# KiCad board MSX OPL4 Wozblaster.kicad_pcb
title: MSX OPL4 Wozblaster Reloaded; date: 2023-06-06; rev: 3.3; company: The Retro Hacker; note: Reloaded by Cristiano Goncalves; note: Original Design by Gustavo Iriarte; note: Wozblaster Reloaded v3
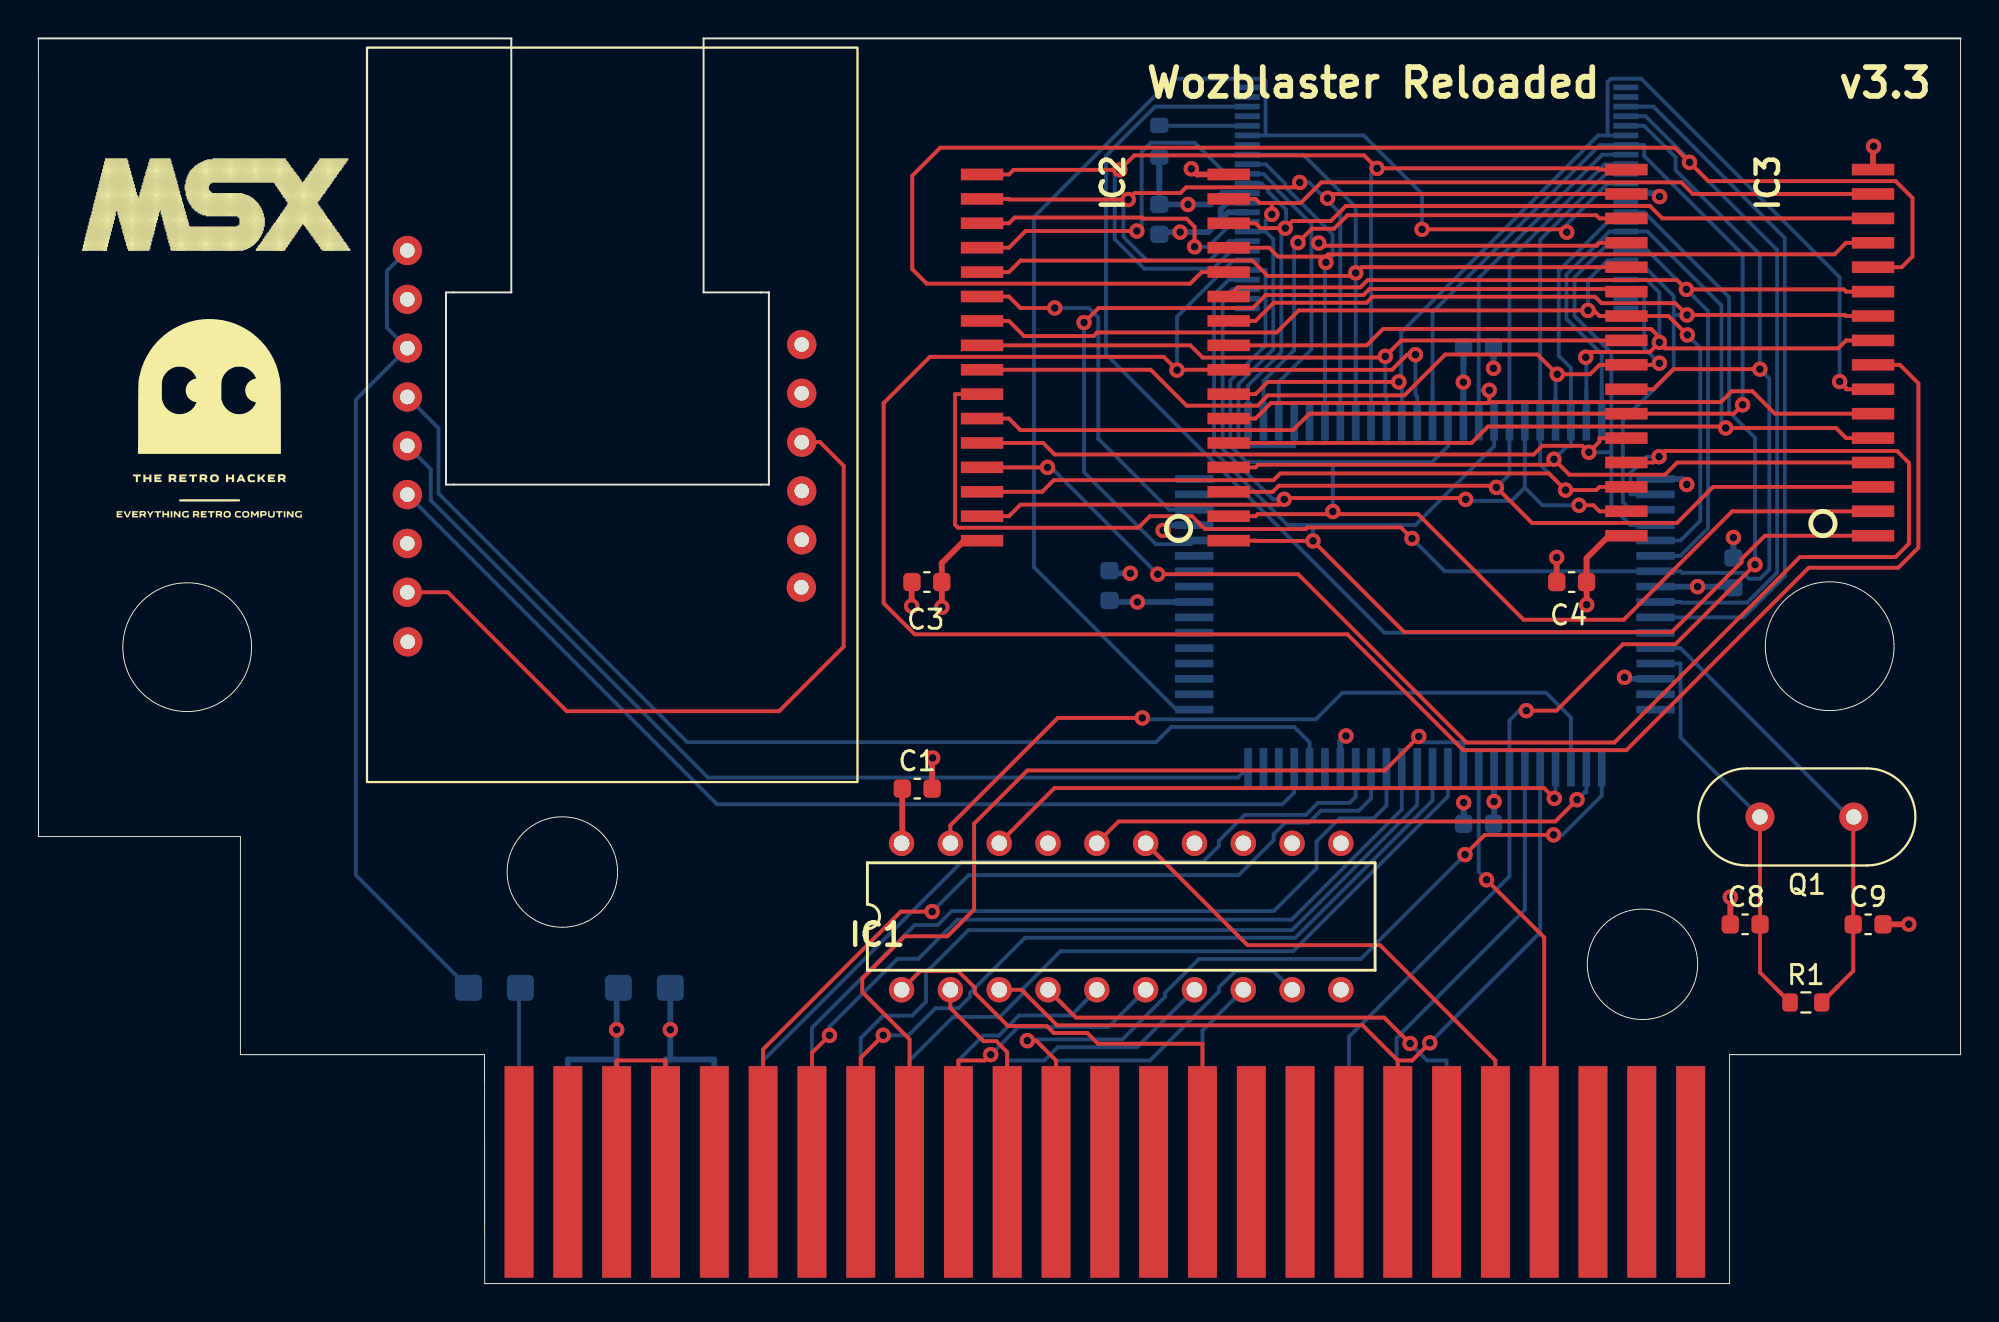
[diagram p0: board, top side]
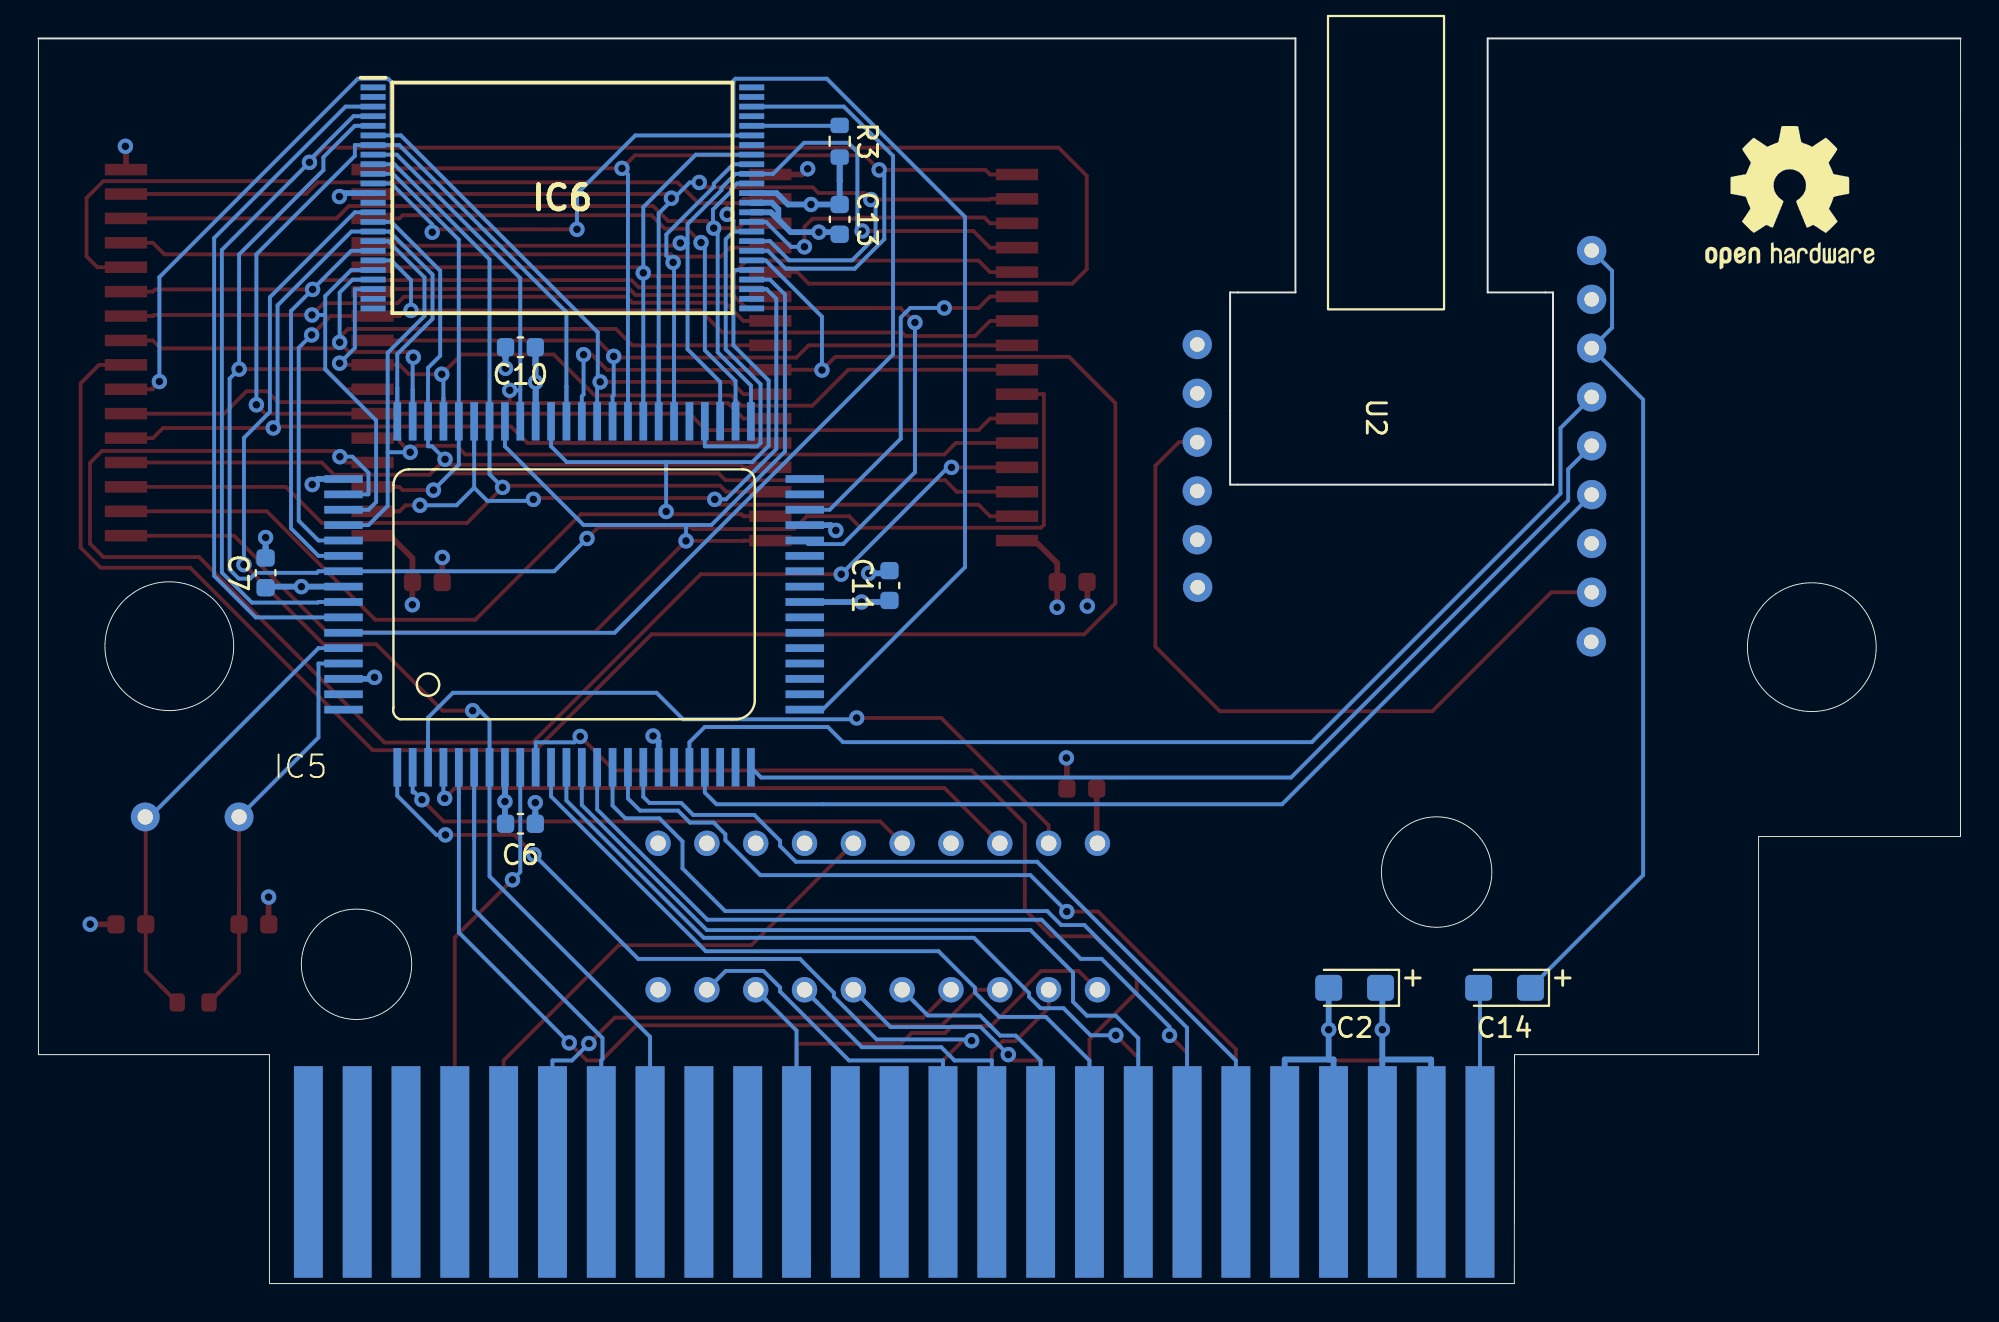
[diagram p1: board, bottom side, seen from below]

Outline 100.01 x 64.78 mm; copper layers: Top, In1.Cu (plane), In2.Cu (plane), Bottom. Coordinates in mm from the lower left corner of the outline.
Outline path: circle c7.74,33.11 r3.35 ; circle c27.26,21.41 r2.87 ; circle c83.46,16.61 r2.87 ; circle c93.2,33.16 r3.35 ; 0,64.78 24.61,64.78 24.61,51.57 21.21,51.57 21.21,41.57 38.01,41.57 38.01,51.57 34.61,51.57 34.61,64.78 100.01,64.78 100.01,11.91 87.99,11.91 87.99,0 23.22,0 23.21,11.91 10.51,11.91 10.51,23.26 0,23.26 0,64.78
Stack: Top 0.035mm / dielectric 0.1mm FR4 er 4.5 / In1.Cu 0.035mm / dielectric 1.24mm FR4 er 4.5 / In2.Cu 0.035mm / dielectric 0.1mm FR4 er 4.5 / Bottom 0.035mm

## Placement (name value [footprint] x y rotation side)
BUS1  MSX_SLOT_EDGE-CON  [msx_cartridge]  55.49 5.68 0 top
C1  0.1uF  [C_0603_1608Metric]  45.72 25.75 0 top
C2  10uF/10v  [CP_EIA-3216-18_Kemet-A]  31.53 15.39 0 bottom
C3  0.1uF  [C_0603_1608Metric]  46.23 36.5 180 top
C4  0.1uF  [C_0603_1608Metric]  79.78 36.5 180 top
C6  0.1uF  [C_0603_1608Metric]  74.93 23.92 180 bottom
C7  0.1uF  [C_0603_1608Metric]  88.19 36.98 90 bottom
C8  12pF  [C_0603_1608Metric]  88.8 18.69 180 top
C9  12pF  [C_0603_1608Metric]  95.2 18.69 0 top
C10  0.1uF  [C_0603_1608Metric]  74.93 48.71 0 bottom
C11  0.1uF  [C_0603_1608Metric]  55.73 36.32 90 bottom
C13  0.1uF  [C_0603_1608Metric]  58.32 55.37 270 bottom
C14  10uF/10v  [CP_EIA-3216-18_Kemet-A]  23.73 15.39 0 bottom
G***  LOGO  [TRH]  8.93 45.07 0 top
IC1  GAL16V8D  [DIL20]  56.34 19.1 0 top
IC2  KM684000ALG  [SOP32L]  55.51 48.18 90 top
IC3  KM684000ALG  [SOP32L]  89.04 48.43 90 top
IC5  YMF278B-F  [80-QFP]  72.24 36.16 180 bottom
IC6  AM29F016B-120EC  [SOP50P2000X120-48N]  72.75 56.48 180 bottom
LOGO_MSX  -  [LOGO_MSX]  1.22 59.43 0 top
Q1  33.8688  [Crystal_HC49-U_Vertical]  94.45 24.28 180 top
R1  3.3K  [R_0603_1608Metric]  91.96 14.62 0 top
R3  1K  [R_0603_1608Metric]  58.32 59.43 90 bottom
REF02  -  [OSHW-Logo2_9.8x8mm_SilkScreen]  8.89 56.51 180 bottom
U2  -  [UDA1334MOD]  29.91 45.06 90 bottom

## Library data of the parts
BUS1 = -: Description: MSX-compatible edge-connector for the cartridge slots used in the MSX-standard.; MPN: n/a; Manufacturer: n/a
IC6 = -: Description: Flash Memory IC 16 MEGABIT CMOS FLASH EPROM; Height: 1.2; Manufacturer_Name: AMD
R1 R3 = -: Description: Resistor

## Footprints (pads in the part's own frame, mm; a bottom-side part is the same pattern mirrored in y, then rotated)
80-QFP
  rect 0.4x2 smd: 1(-9.1,-9.3) 2(-8.3,-9.3) 3(-7.5,-9.3) 4(-6.7,-9.3) 5(-5.9,-9.3) 6(-5.1,-9.3) 7(-4.3,-9.3) 8(-3.5,-9.3) 9(-2.7,-9.3) 10(-1.9,-9.3) 11(-1.1,-9.3) 12(-0.3,-9.3) 13(0.5,-9.3) 14(1.3,-9.3) 15(2.1,-9.3) 16(2.9,-9.3) 17(3.7,-9.3) 18(4.5,-9.3) 19(5.3,-9.3) 20(6.1,-9.3) 21(6.9,-9.3) 22(7.7,-9.3) 23(8.5,-9.3) 24(9.3,-9.3) 41(9.3,8.7) 42(8.5,8.7) 43(7.7,8.7) 44(6.9,8.7) 45(6.1,8.7) 46(5.3,8.7) 47(4.5,8.7) 48(3.7,8.7) 49(2.9,8.7) 50(2.1,8.7) 51(1.3,8.7) 52(0.5,8.7) 53(-0.3,8.7) 54(-1.1,8.7) 55(-1.9,8.7) 56(-2.7,8.7) 57(-3.5,8.7) 58(-4.3,8.7) 59(-5.1,8.7) 60(-5.9,8.7) 61(-6.7,8.7) 62(-7.5,8.7) 63(-8.3,8.7) 64(-9.1,8.7)
  rect 2x0.4 smd: 25(12.1,-6.3) 26(12.1,-5.5) 27(12.1,-4.7) 28(12.1,-3.9) 29(12.1,-3.1) 30(12.1,-2.3) 31(12.1,-1.5) 32(12.1,-0.7) 33(12.1,0.1) 34(12.1,0.9) 35(12.1,1.7) 36(12.1,2.5) 37(12.1,3.3) 38(12.1,4.1) 39(12.1,4.9) 40(12.1,5.7) 65(-11.9,5.7) 66(-11.9,4.9) 67(-11.9,4.1) 68(-11.9,3.3) 69(-11.9,2.5) 70(-11.9,1.7) 71(-11.9,0.9) 72(-11.9,0.1) 73(-11.9,-0.7) 74(-11.9,-1.5) 75(-11.9,-2.3) 76(-11.9,-3.1) 77(-11.9,-3.9) 78(-11.9,-4.7) 79(-11.9,-5.5) 80(-11.9,-6.3)
C_0603_1608Metric
  rrect 0.9x0.95 smd: 1(-0.775,0) 2(0.775,0)
CP_EIA-3216-18_Kemet-A
  rrect 1.4x1.35 smd: 1(-1.35,0) 2(1.35,0)
Crystal_HC49-U_Vertical
  round 1.5 hole 0.8: 1(0,0) 2(4.88,0)
DIL20
  round 1.321 hole 0.813: 1(-11.43,-3.81) 2(-8.89,-3.81) 3(-6.35,-3.81) 4(-3.81,-3.81) 5(-1.27,-3.81) 6(1.27,-3.81) 7(3.81,-3.81) 8(6.35,-3.81) 9(8.89,-3.81) 10(11.43,-3.81) 11(11.43,3.81) 12(8.89,3.81) 13(6.35,3.81) 14(3.81,3.81) 15(1.27,3.81) 16(-1.27,3.81) 17(-3.81,3.81) 18(-6.35,3.81) 19(-8.89,3.81) 20(-11.43,3.81)
msx_cartridge
  rect 1.5x11 smd far side: 1(30.48,0.127) 3(27.94,0.127) 5(25.4,0.127) 7(22.86,0.127) 9(20.32,0.127) 11(17.78,0.127) 13(15.24,0.127) 15(12.7,0.127) 17(10.16,0.127) 19(7.62,0.127) 21(5.08,0.127) 23(2.54,0.127) 25(0,0.127) 27(-2.54,0.127) 29(-5.08,0.127) 31(-7.62,0.127) 33(-10.16,0.127) 35(-12.7,0.127) 37(-15.24,0.127) 39(-17.78,0.127) 41(-20.32,0.127) 43(-22.86,0.127) 45(-25.4,0.127) 47(-27.94,0.127) 49(-30.48,0.127)
  rect 1.5x11 smd: 2(30.48,0.127) 4(27.94,0.127) 6(25.4,0.127) 8(22.86,0.127) 10(20.32,0.127) 12(17.78,0.127) 14(15.24,0.127) 16(12.7,0.127) 18(10.16,0.127) 20(7.62,0.127) 22(5.08,0.127) 24(2.54,0.127) 26(0,0.127) 28(-2.54,0.127) 30(-5.08,0.127) 32(-7.62,0.127) 34(-10.16,0.127) 36(-12.7,0.127) 38(-15.24,0.127) 40(-17.78,0.127) 42(-20.32,0.127) 44(-22.86,0.127) 46(-25.4,0.127) 48(-27.94,0.127) 50(-30.48,0.127)
R_0603_1608Metric
  rrect 0.8x0.95 smd: 1(-0.825,0) 2(0.825,0)
SOP32L
  rect 0.6x2.2 smd: 1(-9.525,-6.416) 2(-8.255,-6.416) 3(-6.985,-6.416) 4(-5.715,-6.416) 5(-4.445,-6.416) 6(-3.175,-6.416) 7(-1.905,-6.416) 8(-0.635,-6.416) 9(0.635,-6.416) 10(1.905,-6.416) 11(3.175,-6.416) 12(4.445,-6.416) 13(5.715,-6.416) 14(6.985,-6.416) 15(8.255,-6.416) 16(9.525,-6.416) 17(9.525,6.416) 18(8.255,6.416) 19(6.985,6.416) 20(5.715,6.416) 21(4.445,6.416) 22(3.175,6.416) 23(1.905,6.416) 24(0.635,6.416) 25(-0.635,6.416) 26(-1.905,6.416) 27(-3.175,6.416) 28(-4.445,6.416) 29(-5.715,6.416) 30(-6.985,6.416) 31(-8.255,6.416) 32(-9.525,6.416)
SOP50P2000X120-48N
  rect 1.3x0.3 smd: 1(-9.85,5.75) 2(-9.85,5.25) 3(-9.85,4.75) 4(-9.85,4.25) 5(-9.85,3.75) 6(-9.85,3.25) 7(-9.85,2.75) 8(-9.85,2.25) 9(-9.85,1.75) 10(-9.85,1.25) 11(-9.85,0.75) 12(-9.85,0.25) 13(-9.85,-0.25) 14(-9.85,-0.75) 15(-9.85,-1.25) 16(-9.85,-1.75) 17(-9.85,-2.25) 18(-9.85,-2.75) 19(-9.85,-3.25) 20(-9.85,-3.75) 21(-9.85,-4.25) 22(-9.85,-4.75) 23(-9.85,-5.25) 24(-9.85,-5.75) 25(9.85,-5.75) 26(9.85,-5.25) 27(9.85,-4.75) 28(9.85,-4.25) 29(9.85,-3.75) 30(9.85,-3.25) 31(9.85,-2.75) 32(9.85,-2.25) 33(9.85,-1.75) 34(9.85,-1.25) 35(9.85,-0.75) 36(9.85,-0.25) 37(9.85,0.25) 38(9.85,0.75) 39(9.85,1.25) 40(9.85,1.75) 41(9.85,2.25) 42(9.85,2.75) 43(9.85,3.25) 44(9.85,3.75) 45(9.85,4.25) 46(9.85,4.75) 47(9.85,5.25) 48(9.85,5.75)
UDA1334MOD
  round 1.524 hole 0.762: 1(-11.67,-10.7) 2(-9.09,-10.72) 3(-6.55,-10.72) 4(-4.01,-10.72) 5(-1.47,-10.72) 6(1.07,-10.72) 7(3.61,-10.72) 8(6.15,-10.72) 9(8.69,-10.72) 10(-8.83,9.78) 11(-6.36,9.8) 12(-3.82,9.8) 13(-1.28,9.8) 14(1.26,9.8) 15(3.8,9.8)

## Nets
+5V: BUS1.45 BUS1.47 C1.1 C2.1 C3.1 C4.1 C6.1 C7.1 C10.1 C11.1 C13.1 IC1.20 IC2.32 IC3.32 IC5.8 IC5.32 IC5.55 IC5.72 IC6.12 IC6.37 R3.1 U2.1
GND: BUS1.41 BUS1.43 C1.2 C2.2 C3.2 C4.2 C6.2 C7.2 C8.2 C9.2 C10.2 C11.2 C13.2 IC1.10 IC1.11 IC1.12 IC1.13 IC1.14 IC1.17 IC2.16 IC3.16 IC5.18 IC5.37 IC5.65 IC5.78 IC6.35 IC6.36 U2.3 U2.8
/A0: IC2.8 IC3.8 IC5.52 IC6.30
/A1: IC2.2 IC3.2 IC5.54 IC6.29
/A2: IC2.1 IC3.1 IC5.57 IC6.28
/A3: IC2.31 IC3.31 IC5.59 IC6.27
/A4: IC2.25 IC3.25 IC5.61 IC6.22
/A5: IC2.9 IC3.9 IC5.63 IC6.21
/A6: IC2.10 IC3.10 IC5.67 IC6.20
/A7: IC2.23 IC3.23 IC5.69 IC6.19
/A8: IC2.11 IC3.11 IC5.70 IC6.18
/A9: IC2.28 IC3.28 IC5.68 IC6.17
/A10: IC2.5 IC3.5 IC5.64 IC6.16
/A11: IC2.4 IC3.4 IC5.62 IC6.15
/A12: IC2.30 IC3.30 IC5.60 IC6.10
/A13: IC2.3 IC3.3 IC5.58 IC6.9
/A14: IC2.6 IC3.6 IC5.56 IC6.8
/A15: IC2.27 IC3.27 IC5.53 IC6.7
/A16: IC2.7 IC3.7 IC5.51 IC6.6
/A17: IC2.26 IC3.26 IC5.71 IC6.5
/A18: IC2.12 IC3.12 IC5.73 IC6.4
/A19: IC5.74 IC6.3
/A20: IC5.75 IC6.46
/AA0: BUS1.28 IC5.1
/AA1: BUS1.27 IC1.9
/AA2: BUS1.30 IC1.2
/AA3: BUS1.29 IC1.7
/AA4: BUS1.32 IC1.6
/AA5: BUS1.31 IC1.5
/AA6: BUS1.22 IC1.1
/AA7: BUS1.21 IC1.8
/BCO: IC5.20 U2.6
/D0: BUS1.34 IC5.10
/D1: BUS1.33 IC5.11
/D2: BUS1.36 IC5.12
/D3: BUS1.35 IC5.13
/D4: BUS1.38 IC5.14
/D5: BUS1.37 IC5.15
/D6: BUS1.40 IC5.16
/D7: BUS1.39 IC5.17
/DO2: IC5.24 U2.5
/LRO: IC5.21 U2.4
/MD0: IC2.17 IC3.17 IC5.49 IC6.31
/MD1: IC2.18 IC3.18 IC5.47 IC6.32
/MD2: IC2.15 IC3.15 IC5.44 IC6.33
/MD3: IC2.19 IC3.19 IC5.42 IC6.34
/MD4: IC2.14 IC3.14 IC5.41 IC6.38
/MD5: IC2.20 IC3.20 IC5.43 IC6.39
/MD6: IC2.13 IC3.13 IC5.46 IC6.40
/MD7: IC2.21 IC3.21 IC5.48 IC6.41
/SLTSOUND: BUS1.49 C14.2
/~{BUSDIR}: BUS1.10 IC1.15
/~{CS0}: IC3.22 IC5.36
/~{CS1}: IC2.22 IC5.38
/~{INT}: BUS1.8 IC5.9
/~{IORQ}: BUS1.11 IC1.4
/~{MRD}: IC2.24 IC3.24 IC5.50
/~{MWR}: IC2.29 IC3.29 IC5.66
/~{RD}: BUS1.14 IC1.3 IC5.5
/~{RESET}: BUS1.15 IC5.7 IC6.14
/~{ROM}: IC5.25 IC6.11 IC6.43
/~{WR}: BUS1.13 IC5.6
Net-(BUS1-SW1): BUS1.44 BUS1.46
Net-(C14-+): C14.1 U2.7 U2.9
Net-(IC1A-O1): IC1.19 IC5.3
Net-(IC1A-O2): IC1.18 IC5.4
Net-(IC1A-O4): IC1.16 IC5.2
Net-(IC5-XI): C8.1 IC5.77 Q1.2 R1.1
Net-(IC5-XO): C9.1 IC5.76 Q1.1 R1.2
Net-(IC6-WE#): IC6.44 R3.2
Net-(U2-3VO): U2.2 U2.13

Pads without a net: BUS1 1 2 3 4 5 6 7 9 12 16 17 18 19 20 23 24 25 26 42 48 50; IC5 19 22 23 26 27 28 29 30 31 33 34 35 39 40 45 79 80; IC6 1 2 13 23 24 25 26 42 45 47 48; U2 10 11 12 14 15

## Via types
v1: diameter 0.8, hole 0.4, Top to Bottom, 90 vias

## Routing (per net, layer and track width the routed paths; a pad name or vN(x,y) marks a point on that pad's centre or on a via; arc(x,y) is an arc through that point)
+5V: length 58.4
  Top w0.3: IC2.32 48.17,38.65 47,37.48 C3.1 47.01,36.49 v1(47.01,35.19) ; IC3.32 81.72,38.91 80.55,37.74 C4.1 80.56,36.49 v1(80.56,35.32) ; C1.1 44.95,22.94 44.91,22.91
  Bottom w0.3: C6.1 75.74,23.95 v1(75.74,25.08) 75.74,25.54 ; 55.73,35.54 C11.1 ; 55.73,35.54 55.77,35.5 ; 55.73,35.54 55.77,35.5 ; 88.16,36.23 C7.1 88.16,36.23 ; 88.16,36.23 88.13,36.26 v1(86.33,36.26) IC5.72 ; 55.77,35.5 55.81,35.46 v1(57.18,35.46) IC5.32 ; 30.09,11.66 v1(30.09,13.21) 30.09,15.29 C2.1 ; 30.09,11.66 BUS1.45 ; 30.09,11.66 27.55,11.66 BUS1.47 ; 74.14,46.39 74.14,45.88 ; 74.14,46.39 IC5.55 ; 74.14,46.39 v1(74.14,46.89) 74.14,47.79 ; IC6.37 61.6,56.73 61.01,56.14 v1(59.81,56.14) C13.1 58.32,57.37 ; 75.74,25.54 75.74,26 ; 75.74,25.54 75.74,25.54 IC5.8 ; 74.14,47.79 74.16,47.81 C10.1 ; 74.14,47.79 74.14,48.69 ; IC6.12 84.17,56.73 v1(84.35,56.55) ; 58.32,57.37 R3.1 58.32,57.37
GND: length 50
  Top w0.3: v1(97.32,18.7) 97.31,18.69 C9.2 ; IC3.16 95.46,59.14 v1(95.49,59.17) ; v1(46.53,27.35) 46.5,27.32 C1.2 ; C8.2 88.04,18.7 v1(88.04,20.11) ; 79,36.5 79,36.5 v1(79,37.78) ; IC2.16 60.28,57.7 v1(59.99,58) ; v1(45.44,35.25) 45.44,36.48 C3.2
  Bottom w0.3: 58.38,54.65 C13.2 58.38,54.65 ; 58.38,54.65 58.43,54.7 v1(59.4,54.7) 60.87,54.7 61.51,55.35 ; 75.71,48.17 75.71,48.17 C10.2 75.71,48.17 ; 75.71,48.17 v1(75.71,47.62) ; 88.19,38.28 v1(88.19,38.81) ; 88.19,38.28 C7.2 88.19,38.28 ; v1(74.16,25.02) 74.16,24.47 ; 74.16,24.47 C6.2 ; 74.16,24.47 74.16,23.92 ; 62.4,55.73 IC6.35 62.4,55.73 ; 62.4,55.73 61.9,55.73 61.51,55.35 ; 67.74,27.53 IC5.18 67.74,27.53 ; 67.74,27.53 67.74,28.21 67.75,28.21 v1(68.03,28.49) ; v1(56.81,36.95) 55.87,36.95 C11.2 ; 61.51,55.35 61.51,55.89 61.85,56.23 62.4,56.23 ; v1(58.52,39.18) 58.79,39.45 58.79,39.46 IC5.37 ; IC5.78 82.79,31.46 82.71,31.54 v1(82.52,31.54) ; 62.4,56.23 IC6.36 62.4,56.23 ; 32.88,11.66 35.17,11.66 BUS1.41 ; 32.88,11.66 v1(32.88,13.21) C2.2 ; 32.88,11.66 32.63,11.66 BUS1.43 ; IC5.65 85.49,41.86 85.49,41.85 v1(85.76,41.57)
/A0: length 124.2
  Top w0.2: IC3.8 96.86,47.8 97.82,46.84 97.82,38.29 96.77,37.24 92.11,37.24 82.62,27.75 74.14,27.75 68.11,33.78 45.6,33.78 43.98,35.4 43.98,45.81 46.38,48.21 58.55,48.21 v1(59.24,47.53) 59.26,47.54 IC2.8 63.33,47.54 63.33,47.54 70.42,47.54 71.21,48.33 v1(71.65,48.33)
  Bottom w0.2: 71.74,45.51 IC5.52 71.74,45.51 ; 71.74,45.51 71.74,46.16 71.65,46.25 v1(71.65,48.33) ; IC6.30 62.17,53.23 59.24,50.3 v1(59.24,47.53)
/A1: length 65.7
  Top w0.2: IC2.2 63.33,39.92 63.43,40.03 67.35,40.03 ; 67.35,40.03 71.79,40.03 77.28,34.54 82.49,34.54 88.13,40.18 IC3.2 ; 67.35,40.03 v1(67.35,40.17)
  Bottom w0.2: IC6.29 63.85,52.73 63.85,48.81 62.02,46.98 62.02,43.59 62.87,42.74 67.35,42.74 ; 73.34,44.21 73.34,44.21 IC5.54 73.34,44.21 ; 73.34,44.21 73.34,43.56 72.51,42.74 67.35,42.74 ; 67.35,42.74 v1(67.35,40.17)
/A2: length 68.5
  Top w0.2: IC2.1 63.33,38.65 63.34,38.64 v1(66.32,38.64) 71.06,33.9 84.98,33.9 88.62,37.53 88.62,37.69 89.83,38.91 IC3.1
  Bottom w0.2: 66.32,39.47 71.64,39.47 75.74,43.56 75.74,44.21 ; 66.32,39.47 64.99,39.47 61.17,43.29 61.17,51.45 61.95,52.23 IC6.28 ; 66.32,39.47 v1(66.32,38.64) ; 75.74,44.21 IC5.57 75.74,44.21 75.74,44.21
/A3: length 53.5
  Top w0.2: v1(74.26,40.8) 74.19,40.87 64.89,40.87 v1(64.82,40.8) 64.54,40.52 51.1,40.52 50.5,39.92 IC2.31 ; IC3.31 81.22,40.18 80.91,40.49 v1(80.16,40.49)
  Bottom w0.2: IC6.27 62.12,51.73 61.62,51.23 61.62,43.42 64.24,40.8 v1(64.82,40.8) ; 77.34,43.13 77.34,41.41 ; 77.34,43.13 IC5.59 77.34,43.13 77.34,43.13 ; 77.34,41.41 78.25,40.49 v1(80.16,40.49) ; 77.34,41.41 76.65,40.72 74.34,40.72 v1(74.26,40.8)
/A4: length 46.6
  Top w0.2: v1(84.34,47.88) 84.11,47.88 84.02,47.8 IC3.25 81.22,47.8 80.73,47.31 v1(79.02,47.31) 78,48.34 73.2,48.34 71.07,46.21 63.97,46.21 63.43,45.67 59.74,45.67 57.87,47.54 IC2.25
  Bottom w0.2: 78.94,46.04 78.94,47.22 v1(79.02,47.31) ; 78.94,46.04 IC5.61 78.94,46.04 ; IC6.22 83.55,51.73 83.55,48.67 v1(84.34,47.88)
/A5: length 48.4
  Top w0.2: IC2.9 69.11,48.81 69.96,49.67 83.9,49.67 84.34,49.23 v1(84.34,48.97) 84.34,48.96 ; 84.34,48.96 83.85,48.47 80.78,48.47 v1(80.51,48.19) ; 84.34,48.96 84.64,48.65 93.64,48.65 94.06,49.07 IC3.9
  Bottom w0.2: IC6.21 83.66,52.23 84.34,51.56 v1(84.34,48.97) ; 80.54,46.51 80.54,48.16 v1(80.51,48.19) ; 80.54,46.51 IC5.63 80.54,46.51
/A6: length 51.9
  Top w0.2: IC2.10 63.33,50.08 64.27,51.03 69.11,51.03 69.42,51.34 80.99,51.34 81.33,51.01 85.16,51.01 v1(85.78,50.39) 94,50.39 94.06,50.34 IC3.10
  Bottom w0.2: IC6.20 83.73,52.73 85.09,51.38 85.09,50.39 ; 85.09,50.39 v1(85.78,50.39) ; 85.09,50.39 85.09,47.56 82.44,44.91 82.44,40.66 82.84,40.26 IC5.67
/A7: length 54.8
  Top w0.2: v1(85.79,49.35) 84.81,50.34 IC3.23 81.22,50.34 80.93,50.63 v1(80.63,50.63) 65.57,50.63 64.42,49.48 55.08,49.48 54.9,49.3 51.28,49.3 50.5,50.08 IC2.23
  Bottom w0.2: v1(85.79,49.35) 86.47,48.68 86.47,39.69 85.44,38.66 IC5.69 ; IC6.19 81.65,53.23 80.63,52.21 v1(80.63,50.63)
/A8: length 54.3
  Top w0.2: IC2.11 62.4,51.83 68.78,51.83 69.15,52.21 85.26,52.21 v1(85.75,51.72) 93.94,51.72 94.06,51.61 IC3.11
  Bottom w0.2: IC6.18 83.73,53.73 v1(85.75,51.72) 86.87,50.6 86.87,39.29 85.44,37.86 IC5.70
/A9: length 54.5
  Top w0.2: IC3.28 81.22,43.99 81.22,43.81 v1(80.67,43.25) 80.33,43.59 78.25,43.59 77.8,43.13 52.88,43.13 52.28,43.73 IC2.28
  Bottom w0.2: 81.84,43.25 81.84,48.42 79.92,50.34 79.92,52.35 81.81,54.23 IC6.17 ; 81.84,43.25 v1(80.67,43.25) ; 81.84,43.25 81.84,40.46 82.84,39.46 IC5.68
/A10: length 61.3
  Top w0.2: IC2.5 74.56,43.73 75.42,44.59 87.72,44.59 v1(87.79,44.51) 93.53,44.51 94.06,43.99 IC3.5
  Bottom w0.2: 81.34,46.59 IC5.64 81.34,46.59 ; 81.34,46.59 81.34,48.36 79.51,50.19 79.51,52.49 81.75,54.73 IC6.16 83.72,54.73 87.57,50.89 87.57,44.74 v1(87.79,44.51)
/A11: length 50
  Top w0.2: IC3.4 85.27,42.72 84.63,42.08 79.66,42.08 v1(78.85,42.89) 78.57,42.6 63.46,42.6 63.33,42.46 IC2.4
  Bottom w0.2: 79.74,45.44 IC5.62 ; 79.74,45.44 79.74,47.64 79.11,48.27 79.11,52.69 81.65,55.23 IC6.15 ; 79.74,45.44 79.74,43.56 79.53,43.56 v1(78.85,42.89)
/A12: length 54.1
  Top w0.2: IC3.30 81.22,41.45 81.06,41.28 v1(79.46,41.28) 78.59,42.15 64.61,42.15 64.26,41.8 52.83,41.8 52.22,41.19 IC2.30
  Bottom w0.2: 78.14,45.18 78.14,45.18 IC5.60 ; 78.14,45.18 78.14,42.6 v1(79.46,41.28) ; 78.14,45.18 78.14,54.31 81.56,57.73 IC6.10
/A13: length 55.6
  Top w0.2: IC3.3 87.13,41.45 85.26,39.57 77.71,39.57 v1(75.86,41.42) 75.77,41.51 64.54,41.51 64.22,41.19 IC2.3
  Bottom w0.2: IC6.9 81.49,58.23 76.54,53.28 76.54,44.92 ; v1(75.86,41.42) 76.54,42.1 76.54,44.92 ; 76.54,44.92 IC5.58
/A14: length 54.3
  Top w0.2: v1(75.49,46.47) 75.49,45.86 ; 75.49,45.86 87.54,45.86 88.1,46.42 89.18,46.42 90.35,45.26 IC3.6 ; 75.49,45.86 75.44,45.81 64.13,45.81 63.33,45 IC2.6
  Bottom w0.2: 74.94,46.47 74.94,45.67 ; 74.94,46.47 v1(75.49,46.47) ; 74.94,46.47 74.94,52.31 81.36,58.73 IC6.8 ; 74.94,45.67 IC5.56 74.94,45.67
/A15: length 78.1
  Top w0.2: v1(88.67,45.72) 88.21,45.26 IC3.27 66.13,45.26 65.28,44.4 51.1,44.4 50.5,45 IC2.27
  Bottom w0.2: v1(88.67,45.72) 88.67,53.55 83.55,58.67 83.55,59.23 IC6.7 81.24,59.23 72.54,50.54 72.54,46.69 ; 72.54,46.69 72.54,46.69 IC5.53 72.54,46.69
/A16: length 57.4
  Top w0.2: IC2.7 63.33,46.27 63.96,46.91 v1(70.78,46.91) ; v1(93.72,46.93) 94.06,46.59 94.06,46.53 IC3.7
  Bottom w0.2: 81.64,59.73 81.15,59.73 70.91,49.49 70.91,46.91 ; 81.64,59.73 IC6.6 ; 81.64,59.73 81.64,62.51 81.82,62.68 83.39,62.68 93.72,52.36 v1(93.72,46.93) ; 70.94,45.87 70.94,46.88 70.91,46.91 ; 70.94,45.87 IC5.51 70.94,45.87 ; 70.91,46.91 v1(70.78,46.91)
/A17: length 86.6
  Top w0.2: IC3.26 84.02,46.53 85.07,47.57 v1(89.57,47.57) ; IC2.26 47.7,46.27 47.7,39.47 47.85,39.32 57.23,39.32 57.83,39.92 60.03,39.92 60.7,39.25 65.94,39.25 66.03,39.34 70.89,39.34 v1(71.47,38.76)
  Bottom w0.2: v1(71.47,38.76) 73.17,37.06 IC5.71 85.44,37.06 85.52,36.98 88.69,36.98 88.99,36.68 89.59,36.68 90.06,37.15 90.06,47.08 v1(89.57,47.57) 89.57,53.54 85.18,57.93 85.18,58.6 83.55,60.23 IC6.5
/A18: length 115.5
  Top w0.2: IC3.12 96.95,52.88 97.51,53.44 97.51,56.48 96.63,57.36 86.89,57.36 v1(85.91,58.33) 85.15,59.1 46.93,59.1 45.47,57.64 45.47,52.78 46.22,52.02 59.93,52.02 60.53,52.62 IC2.12
  Bottom w0.2: IC6.4 83.62,60.73 85.91,58.45 v1(85.91,58.33) 90.47,53.78 90.47,36.99 88.9,35.43 85.47,35.43 85.44,35.46 IC5.73
/A19: length 36.3
  Bottom w0.2: IC5.74 88.7,34.66 90.87,36.82 90.87,54.4 84.03,61.23 IC6.3
/A20: length 53.3
  Bottom w0.2: IC5.75 70.03,33.86 55.54,48.35 55.54,58.67 58.1,61.23 IC6.46
/AA0: length 45.2
  Top w0.2: BUS1.28 52.95,11.61 51.92,12.64 v1(51.46,12.64) ; v1(74.23,22.32) 75.25,23.34 v1(78.83,23.34)
  Bottom w0.2: v1(74.23,22.32) 68.8,16.89 60.39,16.89 58.62,15.13 58.62,14.93 56.4,12.7 51.52,12.7 v1(51.46,12.64) ; 81.34,26.12 IC5.1 81.34,26.12 ; 81.34,26.12 81.34,25.38 79.3,23.34 v1(78.83,23.34)
/AA1: length 20.5
  Bottom w0.2: IC1.9 65.23,15.29 64.25,16.26 62.28,16.26 61.42,15.41 61.42,15.19 57.83,11.61 52.95,11.61 BUS1.27
/AA2: length 11.1
  Top w0.2: BUS1.30 50.41,12.04 49.84,12.61 49.17,12.61 47.45,14.33 IC1.2
/AA3: length 18
  Bottom w0.2: BUS1.29 50.41,11.61 52.35,11.61 53.03,12.3 57.16,12.3 59.49,14.62 ; 59.49,14.62 59.49,14.62 IC1.7 ; 59.49,14.62 60.15,15.29
/AA4: length 18.3
  Top w0.2: v1(49.55,11.91) 49.24,11.61 47.87,11.61 BUS1.32
  Bottom w0.2: 56.72,14.4 IC1.6 ; 56.72,14.4 57.61,15.29 ; 56.72,14.4 55.67,13.35 50.98,13.35 v1(49.55,11.91)
/AA5: length 15.5
  Bottom w0.2: 54.4,14.62 55.07,15.29 ; 54.4,14.62 53.73,13.95 51.02,13.95 49.97,12.9 49.16,12.9 47.87,11.61 BUS1.31 ; 54.4,14.62 IC1.5
/AA6: length 24.5
  Top w0.2: IC1.1 44.91,15.29 45.89,16.26 47.85,16.26 48.72,15.39 48.72,15.13 50.44,13.4 52.47,13.4 52.83,13.04 54.58,13.04 55.14,12.48 60.57,12.48 BUS1.22
/AA7: length 11.1
  Bottom w0.2: 62.15,14.75 60.57,13.16 BUS1.21 ; 62.15,14.75 62.15,14.75 IC1.8 ; 62.15,14.75 62.69,15.29
/BCO: length 59
  Bottom w0.2: 66.14,27.51 IC5.20 66.14,27.51 66.14,27.51 ; 66.14,27.51 66.14,28.16 65.34,28.96 58.94,28.96 58.15,28.17 33.76,28.17 20.82,41.11 20.82,44.51 U2.6
/D0: length 52.3
  Top w0.2: BUS1.34 45.33,12.71 42.87,15.17 42.87,15.87 45.07,18.07 47.3,18.07 48.69,19.46 48.69,23.93 51.46,26.7 70.05,26.7 v1(71.82,28.46)
  Bottom w0.2: 74.14,27.51 74.14,27.51 IC5.10 74.14,27.51 ; 74.14,27.51 74.14,28.16 72.12,28.16 v1(71.82,28.46)
/D1: length 41.9
  Bottom w0.2: 73.34,26.1 IC5.11 73.34,26.1 ; 73.34,26.1 73.34,25.35 65.28,17.29 53.18,17.29 51.28,15.4 51.28,15.14 50.01,13.87 47.59,13.87 45.33,11.61 BUS1.33
/D2: length 43.9
  Top w0.2: BUS1.36 42.79,11.75 v1(43.96,12.92)
  Bottom w0.2: v1(43.96,12.92) 45.27,12.92 46.67,14.32 47.87,14.32 48.47,14.92 48.47,15.12 51.33,17.99 65.4,17.99 72.54,25.13 72.54,26 ; 72.54,26 72.54,26 IC5.12 72.54,26
/D3: length 44.8
  Bottom w0.2: 71.74,25.88 IC5.13 71.74,25.88 ; 71.74,25.88 71.74,24.9 65.23,18.39 48.39,18.39 46.18,16.18 46.18,14.66 45.46,13.94 43.96,13.94 42.79,12.77 BUS1.35
/D4: length 45.7
  Top w0.2: v1(41.16,12.91) 40.25,12 BUS1.38
  Bottom w0.2: v1(41.16,12.91) 41.16,13.36 44.69,16.89 45.78,16.89 47.82,18.93 65.21,18.93 70.94,24.66 70.94,25.76 ; 70.94,25.76 IC5.14 70.94,25.76
/D5: length 46
  Bottom w0.2: 70.14,25.86 70.14,24.87 69.47,24.2 67.7,24.2 66.5,23.01 66.5,21.6 64.28,19.38 47.52,19.38 46.79,18.65 45.59,18.65 40.25,13.31 BUS1.37 ; 70.14,25.86 IC5.15 70.14,25.86
/D6: length 46
  Top w0.2: BUS1.40 37.71,12.19 44.87,19.35 v1(46.5,19.35)
  Bottom w0.2: 69.34,26.05 69.34,25.24 68.7,24.6 66.73,24.6 66.11,23.98 64.87,23.98 64.27,23.38 64.27,23.07 62.45,21.25 48.4,21.25 v1(46.5,19.35) ; 69.34,26.05 IC5.16 69.34,26.05
/D7: length 44.8
  Bottom w0.2: 68.54,26.09 68.54,25.32 68.22,25 66.56,25 65.94,24.38 62.76,24.38 61.42,23.04 61.42,22.76 60.6,21.94 48.04,21.94 37.71,11.61 BUS1.39 ; 68.54,26.09 IC5.17 68.54,26.09
/DO2: length 52.1
  Bottom w0.2: U2.5 20.42,42.37 20.42,40.75 34.84,26.33 62.41,26.33 IC5.24
/LRO: length 55
  Bottom w0.2: 65.34,26.2 65.34,25.55 64.73,24.94 35.3,24.94 U2.4 ; 65.34,26.2 IC5.21 65.34,26.2
/MD0: length 60.9
  Top w0.2: IC3.17 81.22,57.96 81.16,58.02 v1(69.65,58.02) 68.97,58.7 57.02,58.7 v1(56.26,57.94) 50.74,57.94 50.5,57.7 IC2.17
  Bottom w0.2: v1(69.65,58.02) 69.34,57.71 69.34,46.57 ; v1(56.26,57.94) 56,57.68 56,54.34 57.54,52.8 61.13,52.8 62.06,53.73 IC6.31 ; 69.34,46.57 IC5.49 69.34,46.57 69.34,46.57
/MD1: length 59.6
  Top w0.2: v1(65.63,57.29) 65.37,57.03 59.71,57.03 59.42,56.74 57.04,56.74 v1(56.7,56.4) 50.53,56.4 50.5,56.43 IC2.18 ; v1(67.07,56.47) 67.29,56.69 IC3.18
  Bottom w0.2: 67.01,56.4 v1(67.07,56.47) ; 67.01,56.4 66.13,57.29 v1(65.63,57.29) ; 67.01,56.4 67.74,55.67 67.74,48.77 ; IC6.32 61.95,54.23 60.95,53.24 57.67,53.24 56.45,54.46 56.45,56.15 v1(56.7,56.4) ; 67.74,48.77 IC5.47 67.74,48.77
/MD2: length 53.7
  Top w0.2: 64.17,56.21 v1(64.17,55.63) ; 64.17,56.21 63.55,56.21 63.33,56.43 IC2.15 ; 64.17,56.21 65.67,56.21 66.75,57.29 85.48,57.29 86.09,56.69 IC3.15
  Bottom w0.2: 65.34,44.21 65.34,44.21 IC5.44 65.34,44.21 ; 65.34,44.21 65.34,43.56 62.61,43.56 62.44,43.73 62.44,46.79 64.25,48.6 64.25,54.33 63.85,54.73 ; IC6.33 63.85,54.73 ; 63.85,54.73 63.85,55.3 v1(64.17,55.63)
/MD3: length 50
  Top w0.2: v1(60.15,53.94) 60.15,54.98 59.74,55.4 57.5,55.4 57.44,55.46 50.79,55.46 50.5,55.16 IC2.19 ; v1(65.54,54.16) 66.26,54.88 67.41,54.88 68.11,55.58 81.06,55.58 81.22,55.42 IC3.19
  In1.Cu w0.2: v1(65.54,54.16) 65.32,53.94 v1(60.15,53.94)
  Bottom w0.2: 63.74,45.91 63.74,46.96 65.34,48.56 65.34,53.96 v1(65.54,54.16) ; 63.74,45.91 IC5.42 63.74,45.91 ; v1(60.15,53.94) 60.86,53.94 62.15,55.23 IC6.34
/MD4: length 49.8
  Top w0.2: IC2.14 63.33,55.16 63.58,54.91 v1(64.87,54.91) 65.24,55.28 67.24,55.28 68.03,56.06 83.85,56.06 84.5,55.42 IC3.14
  Bottom w0.2: 62.94,45.79 IC5.41 62.94,45.79 ; 62.94,45.79 62.94,46.73 64.67,48.45 64.67,54.71 v1(64.87,54.91) 64.91,54.95 64.91,55.88 63.97,56.82 63.97,56.93 63.66,57.23 IC6.38
/MD5: length 52
  Top w0.2: IC2.20 50.5,53.89 51.36,54.76 v1(57.15,54.76) ; v1(66.62,54.14) 66.75,54 81.07,54 81.22,54.15 IC3.20
  Bottom w0.2: 64.54,45.89 IC5.43 64.54,45.88 ; 64.54,45.89 64.54,46.91 66.24,48.61 66.24,54.14 ; v1(57.15,54.76) 57.4,55.01 57.4,58.87 57.88,59.35 60.17,59.35 61.79,57.73 IC6.39 63.74,57.73 64.47,57 64.47,56.89 66.24,55.12 66.24,54.14 ; 66.24,54.14 v1(66.62,54.14)
/MD6: length 54.4
  Top w0.2: 66.99,53.43 64.5,53.43 64.03,53.89 IC2.13 ; 66.99,53.43 67.11,53.55 93.46,53.55 94.06,54.15 IC3.13 ; 66.99,53.43 v1(66.99,53.13)
  Bottom w0.2: 66.94,48.97 66.94,53.08 v1(66.99,53.13) 67.34,53.48 67.34,54.58 64.87,57.05 64.87,57.22 63.86,58.23 IC6.40 ; 66.94,48.97 IC5.46 66.94,48.97
/MD7: length 56.1
  Top w0.2: IC3.21 68.83,52.88 v1(68.54,52.58) 68.38,52.43 63.96,52.43 63.16,53.22 51.1,53.22 50.5,52.62 IC2.21
  Bottom w0.2: IC6.41 65.81,58.73 68.54,56 v1(68.54,52.58) 68.54,48.72 ; 68.54,48.72 IC5.48 68.54,48.72
/SLTSOUND: length 9.6
  Bottom w0.2: BUS1.49 25.01,15.32 C14.2
/~{BUSDIR}: length 29.9
  Top w0.2: 58.5,22.02 62.91,17.61 69.81,17.61 75.81,11.61 BUS1.10 ; 58.5,22.02 IC1.15 ; 58.5,22.02 57.61,22.91
/~{CS0}: length 44.1
  Top w0.2: v1(54.4,50) 55.16,50.75 63.18,50.75 63.86,51.43 68.94,51.43 69.26,51.74 82.49,51.74 IC3.22
  Bottom w0.2: IC5.36 59.95,38.47 58.14,38.47 54.4,42.21 v1(54.4,50)
/~{CS1}: length 19.3
  Top w0.2: IC2.22 50.5,51.35 51.09,50.76 v1(52.88,50.76)
  Bottom w0.2: IC5.38 58.84,40.26 55.14,43.95 55.14,50.26 54.65,50.76 v1(52.88,50.76)
/~{INT}: length 23.4
  Top w0.2: v1(75.35,21.01) 78.35,18.01 BUS1.8
  Bottom w0.2: 74.94,25.92 74.94,21.41 v1(75.35,21.01) ; 74.94,25.92 IC5.9 74.94,25.92
/~{IORQ}: length 29.2
  Top w0.2: v1(71.37,12.49) 70.02,13.84 53.98,13.84 53.37,14.45 ; 53.37,14.45 IC1.4 ; 53.37,14.45 52.53,15.29
  Bottom w0.2: BUS1.11 73.27,11.61 72.25,11.61 v1(71.37,12.49)
/~{MRD}: length 38.2
  Top w0.2: IC2.24 59.94,48.81 60.57,48.18 70.02,48.18 v1(70.08,48.24) 70.91,49.07 IC3.24
  Bottom w0.2: 70.14,45.51 70.14,46.16 70.08,46.22 v1(70.08,48.24) ; 70.14,45.51 IC5.50 70.14,45.51
/~{MWR}: length 82.1
  Top w0.2: v1(58.24,36.9) 65.55,36.9 74.3,28.15 82,28.15 91.65,37.8 96.63,37.8 97.33,38.5 97.33,42.7 96.71,43.32 84.62,43.32 v1(84.32,43.02) 84.02,42.72 IC3.29 ; IC2.29 v1(52.5,42.46)
  Bottom w0.2: v1(58.24,36.9) 52.68,42.46 v1(52.5,42.46) ; v1(84.32,43.02) 83.67,43.02 82.84,42.18 82.84,41.06 IC5.66
/~{RD}: length 47.5
  Top w0.2: v1(72.39,12.52) 71.48,11.61 70.73,11.61 ; 70.73,11.61 68.9,13.44 53,13.44 51.15,15.29 49.99,15.29 IC1.3 ; 70.73,11.61 BUS1.14
  Bottom w0.2: 78.14,26.21 IC5.5 78.14,26.21 ; 78.14,26.21 78.14,25.56 78.13,25.55 78.13,18.26 v1(72.39,12.52)
/~{RESET}: length 65
  Top w0.2: v1(77.42,29.81) 78.98,29.81 82.44,33.26 85.18,33.26 v1(89.32,37.4)
  Bottom w0.2: 76.54,27.14 76.54,21.19 68.19,12.83 BUS1.15 ; 76.54,27.14 76.54,27.14 IC5.7 ; 76.54,27.14 76.54,29.3 77.05,29.81 v1(77.42,29.81) ; v1(89.32,37.4) 89.32,44 87.97,45.35 87.97,51.31 83.55,55.73 IC6.14
/~{ROM}: length 71.7
  Top w0.2: v1(79.52,54.7) 79.37,54.85 v1(71.99,54.85)
  Bottom w0.2: IC6.43 63.85,59.73 ; 63.85,59.73 68.95,59.73 71.99,56.7 v1(71.99,54.85) ; 63.85,59.73 63.85,62.58 63.74,62.68 58.99,62.68 51.8,55.5 51.8,37.27 59.21,29.86 IC5.25 ; IC6.11 81.65,57.23 79.52,55.11 v1(79.52,54.7)
/~{WR}: length 27.5
  Bottom w0.2: 77.34,23.15 IC5.6 77.34,23.15 ; 77.34,23.15 77.34,19.45 70.66,12.77 70.66,11.67 70.73,11.61 BUS1.13
Net-(BUS1-SW1): length 14.1
  Top w0.2: BUS1.46 30.09,11.61 32.63,11.61 BUS1.44
Net-(C14-+): length 42.8
  Bottom w0.2: C14.1 16.52,21.25 16.52,45.99 U2.7 18.13,49.73 18.13,52.68 U2.9
Net-(IC1A-O1): length 40.5
  Top w0.2: v1(57.44,29.43) 53.04,29.43 47.45,23.84 IC1.19
  Bottom w0.2: v1(57.44,29.43) 57.51,29.36 66.47,29.36 67.85,30.74 78.45,30.74 79.74,29.44 79.74,28.15 ; 79.74,28.15 IC5.3 79.74,28.15
Net-(IC1A-O2): length 33.4
  Top w0.2: 50.56,23.48 49.99,22.91 ; 50.56,23.48 IC1.18 ; 50.56,23.48 52.86,25.78 78.34,25.78 v1(78.87,25.24)
  Bottom w0.2: 78.94,26.21 IC5.4 78.94,26.21 ; 78.94,26.21 78.94,25.56 78.87,25.49 v1(78.87,25.24)
Net-(IC1A-O4): length 28.5
  Top w0.2: v1(80.06,25.17) 78.92,24.04 56.21,24.04 55.5,23.33 IC1.16
  Bottom w0.2: 80.54,26.21 IC5.2 80.54,26.21 ; 80.54,26.21 80.54,25.56 80.44,25.56 v1(80.06,25.17)
Net-(IC5-XI): length 23.9
  Top w0.2: 90.36,15.41 R1.1 90.36,15.41 ; 90.36,15.41 89.58,16.19 89.58,20.23 ; 89.58,20.23 89.58,24.27 Q1.2 ; 89.58,20.23 89.58,20.23 C8.1
  Bottom w0.2: Q1.2 85.44,28.41 85.44,32.26 IC5.77
Net-(IC5-XO): length 25.5
  Top w0.2: 94.44,24.26 Q1.1 94.44,24.26 ; 94.44,24.26 94.43,24.25 C9.1 94.43,16.26 93.61,15.44 ; 93.61,15.44 R1.2 93.61,15.44
  Bottom w0.2: Q1.1 94.22,24.28 85.44,33.06 IC5.76
Net-(IC6-WE#): length 4.6
  Bottom w0.2: R3.2 58.34,60.23 IC6.44
Net-(U2-3VO): length 38.8
  Top w0.2: U2.13 40.67,43.78 41.9,42.55 41.9,33.14 38.54,29.78 27.49,29.78 21.3,35.97 U2.2

## Copper pours and planes (outline as drawn; the poured copper is in the pictures)
+5V on In2.Cu: 0.51,64.26 99.82,64.41 99.77,12.14 10.72,12.14 10.72,23.41 0.21,23.41 0.15,64.26
GND on In1.Cu: 0.51,64.26 99.82,64.41 99.77,12.14 10.72,12.14 10.72,23.41 0.21,23.41 0.15,64.26

## Text on the board
B.Silkscreen: +
F.Silkscreen: Wozblaster Reloaded | v3.3
